# Altium PCB Mainboard.PcbDoc (part 3 of 4)
Units mm, origin at the board's own origin, x right, y up, seen from the top; angles counter-clockwise.
Board outline 90 x 160 mm, 2 copper layers (L1_Top, L14_Bot), stack 1.67 mm thick; 337 components, 184 nets, 933 pads, 776 vias.
Unrouted connection lines stored in the file: 3.
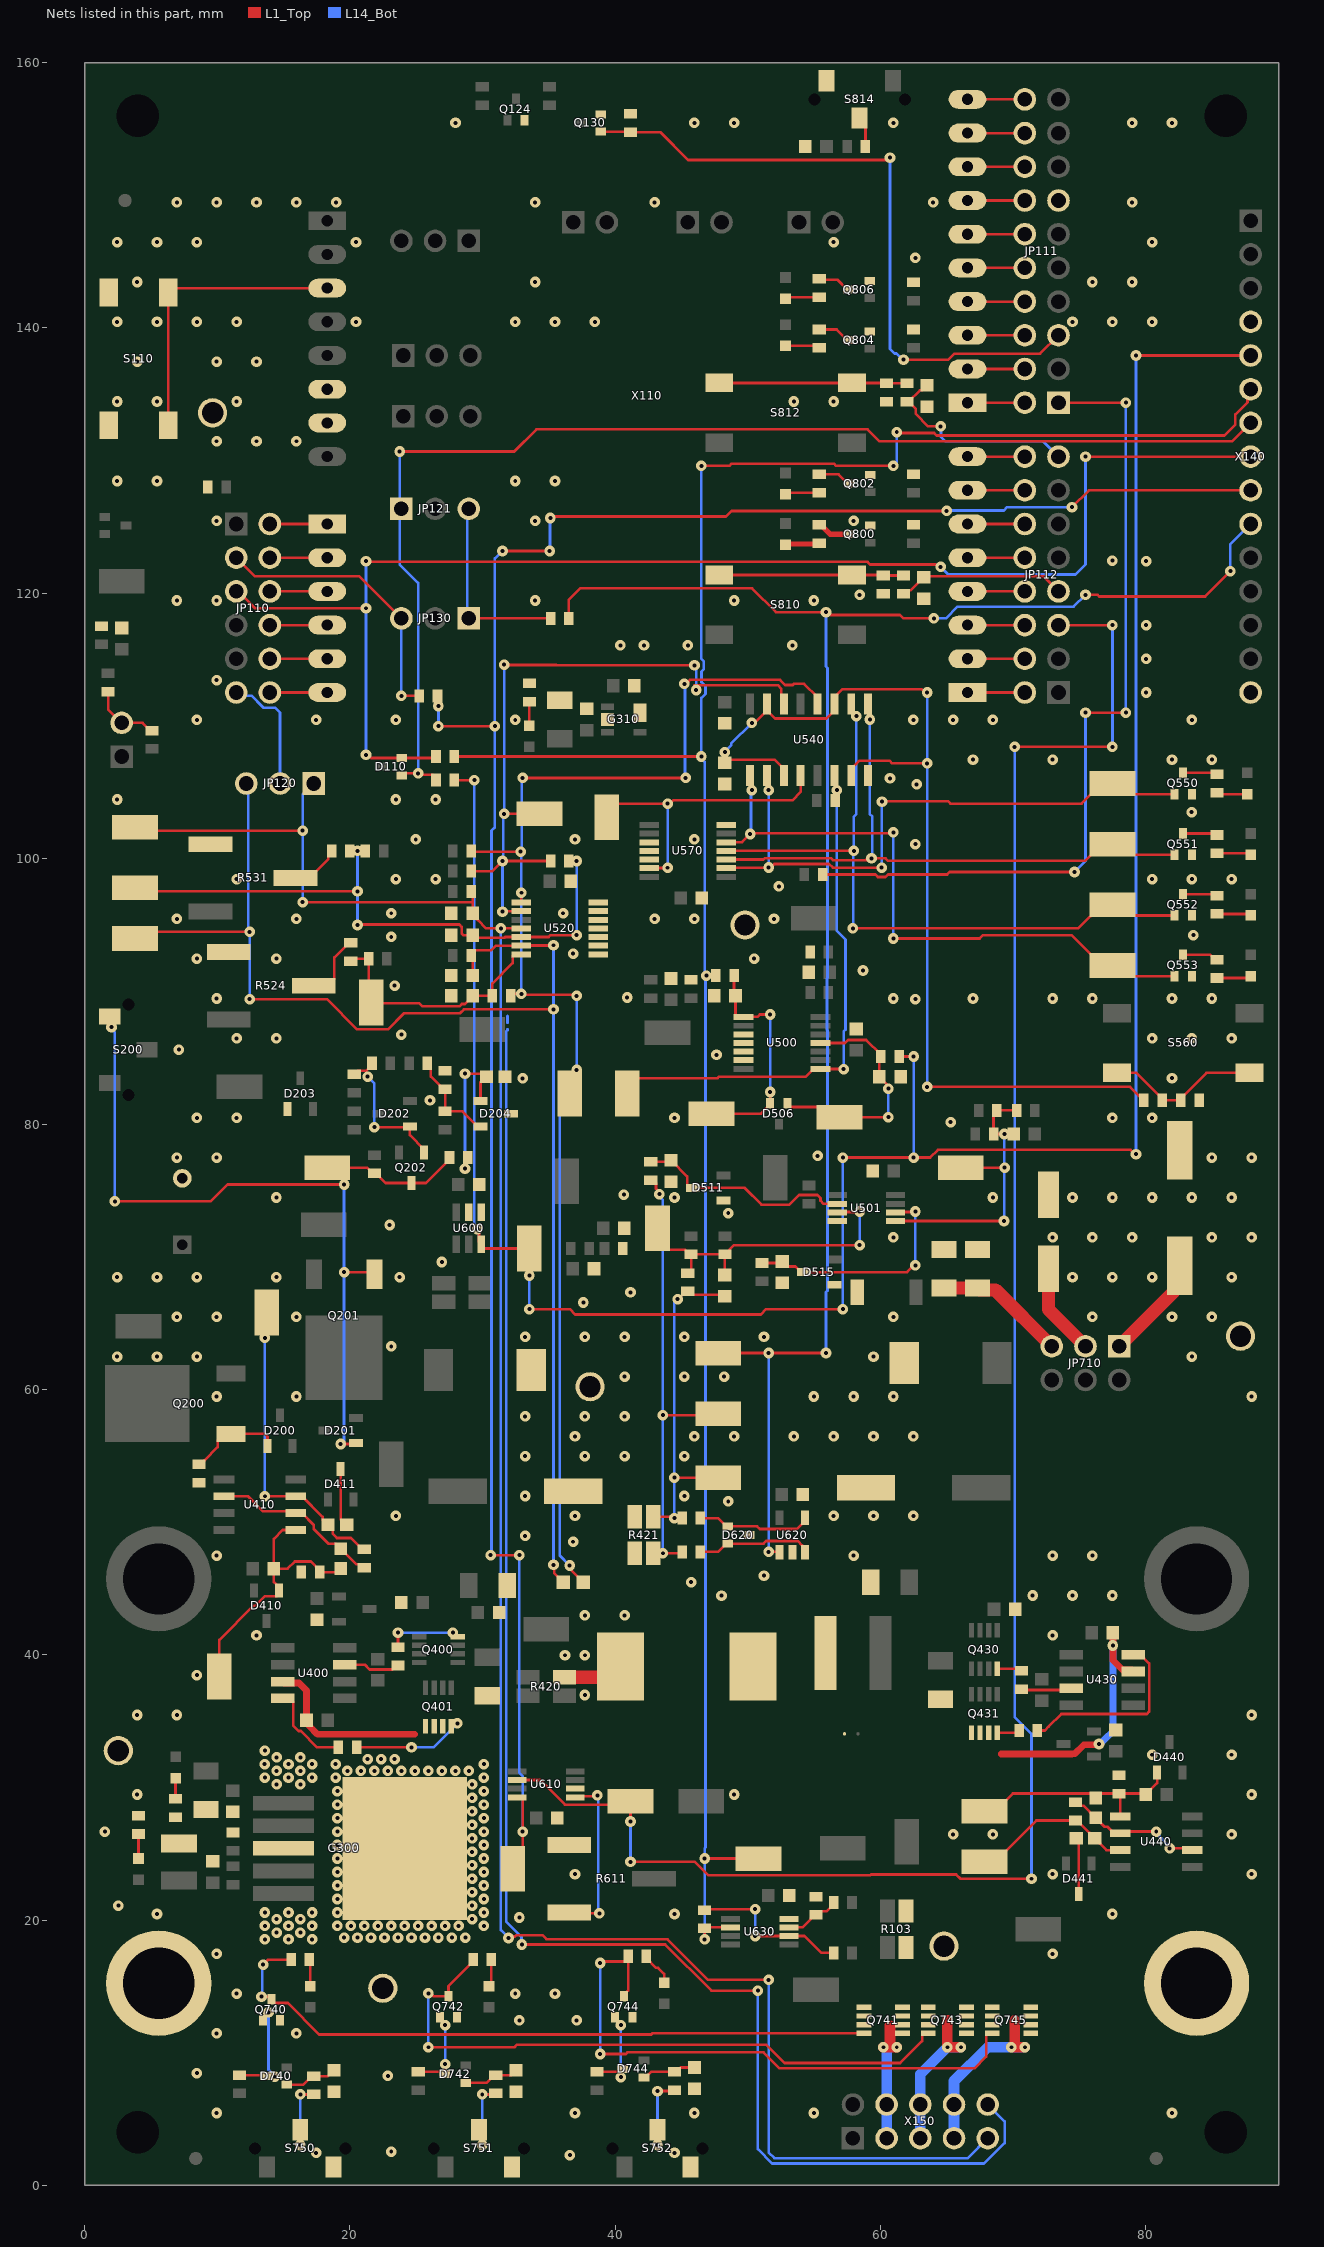
[diagram p3: the nets of this part, all layers, seen from the top]

## Via types
v1: diameter 0.8, hole 0.3, L1_Top to L14_Bot, tented both sides, 776 vias

## Nets (pads, with @x,y where several pads share a name; then routed paths per layer and width w, separated by ;. In a path a pad name is that pad's centre, name@x,y a point inside that pad or via, vN(x,y) a via of type N, cw(c..) or ccw(c..) an arc to the next point about the centre after c; other vN are vias at no path point) (continued)
Current_Blanking: JP111.5 Q130.1 R130.2 | length 51.1
  L1_Top w0.2: Q130.1@38.9,154.798 41.108,154.798 R130.2@41.148,154.758 43.388,154.758 45.492,152.654 60.706,152.654 v1(60.706,152.83) ; v1(61.719,137.606) 65.107,137.606 65.557,138.056 72.016,138.056 JP111.5@73.406,139.446
  L14_Bot w0.2: v1(60.706,152.83) 60.706,138.43 61.061,138.075 61.199,138.075 61.668,137.606 v1(61.719,137.606)
Fault_Reset: C562.1 R562.2 U540.3 U540.7 U540.11 U540.15 | length 78.1
  L1_Top w0.2: v1(48.26,108.023) C562.1@48.26,107.226 48.476,107.442 52.029,107.442 52.705,106.766 U540.3@52.705,106.266 ; v1(50.292,110.236) 50.407,110.351 50.62,110.351 U540.15@51.435,111.166 ; U540.15@51.435,111.666 U540.15@51.435,111.166 ; U540.7@57.785,106.266 57.785,106.766 57.985,106.966 58.385,107.366 60.695,107.366 60.873,107.188 v1(63.5,107.188) ; v1(63.5,82.804) 78.812,82.804 R562.2@79.828,81.788 ; v1(63.5,112.522) 63.338,112.522 63.084,112.776 57.125,112.776 56.515,112.166 U540.11@56.515,111.666 56.515,111.166 55.915,110.566 52.035,110.566 U540.15@51.435,111.166
  L14_Bot w0.2: v1(48.26,108.023) 48.26,108.063 48.735,108.538 48.735,108.679 v1(50.292,110.236) ; v1(63.5,82.804) v1(63.5,107.188) v1(63.5,112.522)
Flag_Overcurr: Q550.1 TP540.1 U540.2 U570.2 | length 47
  L1_Top w0.2: U570.2@48.366,99.284 48.391,99.309 51.537,99.309 v1(51.562,99.334) 51.724,99.334 51.991,99.601 56.11,99.601 56.394,99.317 v1(60.074,99.317) ; U540.2@51.435,106.266 51.562,106.139 v1(51.562,105.156) ; v1(60.104,104.3) 60.136,104.332 65.06,104.332 65.252,104.14 75.146,104.14 76.67,105.664 TP540.1@77.47,105.664 78.27,104.864 Q550.1@82.154,104.864
  L14_Bot w0.2: v1(51.562,99.334) v1(51.562,105.156) ; v1(60.074,99.317) 60.074,104.27 v1(60.104,104.3)
Flag_Overtemp_Ext: Q553.1 TP543.1 U540.1 U570.5 | length 48
  L1_Top w0.2: U570.5@48.366,101.234 48.374,101.242 49.553,101.242 50.228,101.917 60.896,101.917 v1(60.96,101.981) ; U540.1@50.165,106.266 50.292,106.139 v1(50.292,105.156) ; v1(60.96,93.98) 67.468,93.98 67.722,94.234 74.384,94.234 77.47,91.148 Q553.1@82.154,91.148
  L14_Bot w0.2: v1(50.165,101.854) 50.228,101.917 50.228,105.092 v1(50.292,105.156) ; v1(60.96,93.98) v1(60.96,101.981)
Flag_Overtemp_Int: Q552.1 TP542.1 U540.10 U570.4 | length 53.4
  L1_Top w0.2: U570.4@48.366,100.584 v1(57.974,100.584) v1@58.166,100.584 ; U540.10@57.785,111.666 57.785,111.166 58.166,110.785 v1(58.166,110.744) ; v1(57.912,94.742) 74.892,94.742 76.67,96.52 TP542.1@77.47,96.52 ; TP542.1@76.708,97.282 TP542.1@77.47,96.52 ; Q552.1@82.154,95.72 78.27,95.72 TP542.1@77.47,96.52
  L14_Bot w0.2: v1(57.912,94.742) 57.943,94.773 57.943,100.553 v1(57.974,100.584) 57.974,103.16 58.166,103.352 v1(58.166,110.744)
Flag_Overvolt: Q551.1 TP541.1 U540.9 U570.3 | length 45.5
  L1_Top w0.2: U570.3@48.366,99.934 51.172,99.934 51.272,100.034 56.243,100.034 56.393,99.884 58.866,99.884 58.884,99.902 59.195,99.902 v1(59.31,100.017) 60.364,100.017 60.528,99.853 75.431,99.853 76.67,101.092 TP541.1@77.47,101.092 78.27,100.292 Q551.1@82.154,100.292
  L14_Bot w0.2: v1(59.182,110.49) 59.166,110.474 59.166,103.367 59.374,103.16 59.374,100.081 v1(59.31,100.017)
GND: C204.1 C210.2 C211.2 C212.1 C213.1 C214.1 C215.1 C221.1 C300.1 C301.1 C302.1 C303.1 C310.1 C311.1 C312.1 C403.1 C433.1 C500.2 C501.2 C503.1 C505.1 C506.1 C507.1 C511.1 C515.1 C520.2 C523.1 C526.1 C530.1 C533.1 C540.1 C562.2 C570.2 C600.1 C610.1 C620.1 C630.1 C700.1 C701.1 C702.2 C710.2 C711.2 C712.1 C713.1 C722.1 C750.1 C751.1 C752.1 C811.1 C813.1 C814.1 D203.1 D204.3 D211.2 D511.1 D515.1 D620.3 D730.2 D731.2 G300.3 G300.6 G310.2 G310.5 JP111.13 Q124.2 Q130.2 Q550.2 Q551.2 Q552.2 Q553.2 Q740.2 Q742.2 Q744.2 Q800.2 Q802.2 Q804.2 Q806.2 R103.2 R122.1 R130.1 R200.1 R207.1 R221.1 R301.1 R320.1 R330.1 R340.1 R410.1 R421.2 R440.1 R503.2 R505.1 R524.1 R531.1 R561.1 R611.1 R632.1 R722.1 R800.1 R802.1 R804.1 R806.1 R810.1 R812.1 S110.1 S110.2 S750.3 S751.3 S752.3 S814.3 TP103.1 TP202.1 TP300.1 TP421.1 TP503.1 TP710.1 TP802.1 U500.10 U500.11 U500.12 U500.13 U501.4 U520.8 U520.9 U520.10 U520.11 U520.12 U520.13 U520.14 U540.8 U570.7 U570.10 U570.11 U570.12 U600.1 U600.2 U610.6 U620.2 U630.4 W100.2 W500.2 X101.1 X110.6A X110.7A X140.4 X140.15 | length 0.8
  L14_Bot w0.2: W100.2@31.877,87.621 31.877,88.138 ; W500.2@35.814,83.049 35.814,83.312
  other v1: 36.576,2.286 17.46,2.46 44.46,2.46 23.114,2.54 9.96,5.46 36.96,5.46 45.96,5.46 54.96,5.46 81.96,5.46 22.86,8.255 8.46,8.46 9.96,11.46 15.96,11.46 32.766,12.446 37.084,12.446 11.46,14.46 32.46,14.46 35.46,14.46 9.96,17.46 72.96,17.46 13.589,18.542 15.367,18.542 17.145,18.542 19.558,18.669 20.574,18.669 21.59,18.669 22.606,18.669 23.622,18.669 24.638,18.669 25.654,18.669 26.67,18.669 27.686,18.669 28.702,18.669 14.478,19.05 16.256,19.05 13.589,19.558 15.367,19.558 17.145,19.558 19.05,19.558 20.066,19.558 21.082,19.558 22.098,19.558 23.114,19.558 24.13,19.558 25.146,19.558 26.162,19.558 27.178,19.558 28.194,19.558 30.099,19.558 14.478,20.066 16.256,20.066 29.21,20.066 32.766,20.193 5.46,20.46 44.46,20.46 77.46,20.46 13.589,20.574 15.367,20.574 17.145,20.574 19.05,20.574 30.099,20.574 2.54,21.082 29.21,21.082 19.05,21.59 30.099,21.59 29.21,22.098 19.05,22.606 30.099,22.606 29.21,23.114 36.96,23.46 72.96,23.46 87.96,23.46 19.05,23.622 30.099,23.622 29.21,24.142 19.05,24.638 30.099,24.638 29.21,25.146 19.05,25.654 30.099,25.654 29.21,26.162 65.46,26.46 68.46,26.46 86.46,26.46 1.524,26.67 19.05,26.67 30.099,26.67 29.21,27.178 19.05,27.686 30.099,27.686 29.21,28.194 19.05,28.702 30.099,28.702 29.21,29.21 3.96,29.46 48.96,29.46 87.96,29.46 19.05,29.718 30.099,29.718 14.478,30.226 16.256,30.226 29.21,30.226 13.589,30.734 15.367,30.734 17.145,30.734 18.923,30.734 30.099,30.734 14.478,31.242 16.256,31.242 19.812,31.242 20.828,31.242 21.844,31.242 22.86,31.242 23.876,31.242 24.892,31.242 25.908,31.242 26.924,31.242 27.94,31.242 28.956,31.242 13.572,31.748 15.367,31.75 17.145,31.75 18.923,31.75 30.099,31.75 21.336,32.131 22.352,32.131 23.368,32.131 14.478,32.258 16.256,32.258 80.46,32.46 86.46,32.46 13.589,32.766 3.96,35.46 6.96,35.46 87.96,35.46 37.71,36.96 8.46,38.46 36.21,39.96 37.71,39.96 12.96,41.46 72.96,41.46 37.71,42.96 40.71,42.96 48.006,44.45 71.46,44.46 74.46,44.46 77.46,44.46 45.72,45.466 51.21,45.96 9.96,47.46 57.96,47.46 72.96,47.46 75.96,47.46 36.83,48.514 33.21,48.96 23.46,50.46 36.96,50.46 56.46,50.46 59.46,50.46 62.46,50.46 48.514,51.562 33.21,51.96 45.21,51.96 33.21,54.96 37.71,54.96 40.71,54.96 45.21,54.96 36.96,56.46 45.96,56.46 48.96,56.46 53.46,56.46 56.46,56.46 59.46,56.46 62.46,56.46 33.21,57.96 37.71,57.96 40.71,57.96 9.96,59.46 15.96,59.46 54.96,59.46 57.96,59.46 60.96,59.46 87.96,59.46 40.71,60.96 45.21,60.96 48.21,60.96 2.46,62.46 5.46,62.46 8.46,62.46 59.46,62.46 83.46,62.46 23.114,63.246 33.21,63.96 37.71,63.96 40.71,63.96 45.21,63.96 51.21,63.96 6.96,65.46 9.96,65.46 15.96,65.46 60.96,65.46 75.96,65.46 81.96,65.46 84.96,65.46 37.592,66.548 41.148,67.31 2.46,68.46 5.46,68.46 8.46,68.46 14.46,68.46 23.749,68.453 74.46,68.46 77.46,68.46 80.46,68.46 86.46,68.46 26.924,69.596 60.96,71.46 72.96,71.46 75.96,71.46 78.96,71.46 84.96,71.46 87.96,71.46 22.987,72.39 48.514,73.279 14.46,74.46 44.46,74.46 68.46,74.46 74.46,74.46 77.46,74.46 80.46,74.46 83.46,74.46 86.46,74.46 40.64,74.676 6.96,77.46 9.96,77.46 84.96,77.46 87.96,77.46 55.245,77.597 65.278,80.137 8.46,80.46 11.46,80.46 44.46,80.46 77.46,80.46 80.46,80.46 26.035,81.788 33.02,83.439 81.96,83.46 47.625,85.217 7.112,85.598 11.46,86.46 14.46,86.46 80.46,86.46 83.46,86.46 86.46,86.46 23.876,86.741 62.611,89.408 9.96,89.46 60.96,89.46 66.96,89.46 72.96,89.46 75.96,89.46 81.96,89.46 84.96,89.46 40.894,89.535 23.368,90.424 58.674,91.567 8.46,92.46 14.46,92.46 50.46,92.46 36.83,92.837 23.114,94.107 83.566,94.234 6.96,95.46 15.96,95.46 42.96,95.46 45.96,95.46 51.96,95.46 23.114,95.885 36.068,95.885 52.324,97.917 11.46,98.46 23.46,98.46 26.46,98.46 80.46,98.46 83.46,98.46 86.46,98.46 62.611,101.092 24.96,101.46 36.96,101.46 45.96,101.46 83.439,103.505 2.46,104.46 23.46,104.46 26.46,104.46 62.708,105.6 60.706,106.045 66.96,107.46 72.96,107.46 81.96,107.46 84.96,107.46 8.46,110.46 17.46,110.46 23.46,110.46 32.46,110.46 62.46,110.46 65.46,110.46 68.46,110.46 83.46,110.46 80.01,112.522 9.96,113.46 80.01,115.062 40.386,116.078 42.164,116.078 45.466,116.078 53.34,116.078 80.01,117.602 6.96,119.46 9.96,119.46 33.96,119.46 48.96,119.46 54.96,119.46 58.42,119.888 80.01,122.428 77.46,122.46 9.96,125.46 33.96,125.46 57.96,125.46 2.46,128.46 5.46,128.46 32.46,128.46 35.46,128.46 9.96,131.46 12.96,131.46 15.96,131.46 2.46,134.46 5.46,134.46 11.46,134.46 53.46,134.46 56.46,134.46 3.96,137.46 9.96,137.46 12.96,137.46 2.46,140.46 5.46,140.46 8.46,140.46 11.46,140.46 20.46,140.46 32.46,140.46 35.46,140.46 38.46,140.46 74.46,140.46 77.46,140.46 80.46,140.46 3.96,143.46 33.96,143.46 75.96,143.46 78.96,143.46 62.611,145.288 2.46,146.46 5.46,146.46 8.46,146.46 20.46,146.46 56.46,146.46 80.46,146.46 6.96,149.46 9.96,149.46 12.96,149.46 15.96,149.46 18.96,149.46 33.96,149.46 42.96,149.46 63.96,149.46 78.96,149.46 27.96,155.46 45.96,155.46 48.96,155.46 60.96,155.46 78.96,155.46 81.96,155.46
H-Bridge_neg: C400.1 C404.1 C430.1 C434.1 Q401.1 Q401.2 Q401.3 Q431.1 Q431.2 Q431.3 R421.1 U400.3 U430.3 | length 33
  L1_Top w0.5: U400.3@15.462,37.973 U400.3@14.932,37.973 15.042,37.863 16.163,37.863 16.726,37.3 C400.1@16.726,35.052 C400.1@16.726,35.027 ; C400.1@16.802,34.951 16.951,34.802 16.951,34.611 17.564,33.998 24.892,33.998 ; 69.088,32.512 74.422,32.512 74.434,32.524 74.623,32.524 75.315,33.217 76.397,33.217 v1(76.454,33.274) ; C430.1@77.508,41.656 77.508,39.586 78.249,38.845 78.938,38.845 U430.3@79.048,38.735
  L14_Bot w0.5: v1(76.454,33.274) 76.535,33.274 77.136,33.874 77.154,33.874 77.508,34.228 v1(77.508,40.693)
In_555_Boost: C442.2 R441.2 U440.2 U440.6 | length 10.5
  L1_Top w0.2: R441.2@74.676,28.884 74.936,28.624 75.274,28.624 C442.2@76.2,27.698 76.865,27.033 77.107,27.033 77.597,26.543 U440.2@78.072,26.543 78.199,26.67 v1(80.772,26.67) ; v1(81.788,25.4) 83.345,25.4 U440.6@83.472,25.273
  L14_Bot w0.2: v1(80.772,26.67) 80.772,26.543 81.788,25.527 v1(81.788,25.4)
In_555_Buck: C412.2 R411.2 U410.2 U410.6 | length 13
  L1_Top w0.2: U410.6@10.508,51.943 12.319,51.943 13.462,50.8 15.781,50.8 U410.2@15.908,50.673 16.383,50.673 17.272,49.784 17.272,49.463 18.366,48.369 18.929,48.369 C412.2@19.304,47.994 20.484,46.814 20.822,46.814 R411.2@21.082,46.554
In_Curr_ADC: D110.1 JP121.1 R110.1 X140.7 | length 93.5
  L1_Top w0.2: v1(23.749,130.683) 32.385,130.683 34.056,132.354 59.006,132.354 59.908,131.452 86.494,131.452 X140.7@87.884,132.842 ; D110.1@23.914,106.284 24.056,106.426 v1(25.146,106.426) 25.259,106.313 26.228,106.313 26.488,106.053 R110.1@26.488,105.918
  L14_Bot w0.2: v1(23.749,130.683) 23.749,126.365 23.749,122.18 25.146,120.783 v1(25.146,106.426)
In_Curr_Filtr: C506.2 D506.1 R506.2 TP506.1 U500.4 | length 18.4
  L1_Top w0.2: D506.1@52.974,81.572 52.974,81.48 53.174,81.28 56.134,81.28 TP506.1@56.896,80.518 v1(60.581,80.518) ; U500.4@55.478,86.106 57.313,86.106 57.542,86.335 58.906,86.335 60.016,85.225 R506.2@60.016,85.09 59.906,84.98 C506.2@59.906,83.566 ; C506.2@59.69,83.566 59.881,83.566 60.466,82.981 60.466,82.784 v1(60.581,82.669)
  L14_Bot w0.2: v1(60.581,80.518) v1(60.581,82.669)
Inductor_Curr_ADC: JP110.3 JP130.3 R132.1 | length 21.5
  L1_Top w0.2: JP110.3@11.43,122.682 12.82,121.292 20.694,121.292 JP130.3@23.876,118.11 ; v1(23.876,112.268) R132.1@25.218,112.268
  L14_Bot w0.2: v1(23.876,112.268) JP130.3@23.876,118.11
Inductor_Current: R132.2 TP610.1 U610.4 X140.9 | length 171.5
  L1_Top w0.2: R132.2@26.598,112.268 26.67,112.196 v1(26.67,111.506) ; v1(26.67,109.982) v1(30.926,109.982) ; v1(30.607,47.498) v1(32.766,47.498) ; v1(31.496,123.19) v1(35.052,123.19) ; TP610.1@32.258,23.876 33.02,24.638 v1(33.02,26.67) 33.02,29.126 32.895,29.251 U610.4@32.598,29.251 U610.4@32.578,29.231 ; v1(35.109,125.673) 35.224,125.787 35.522,125.787 35.527,125.792 48.348,125.792 48.763,126.207 v1(64.972,126.207) ; v1(74.422,126.492) 75.692,127.762 X140.9@87.884,127.762
  L14_Bot w0.2: v1(26.67,109.982) v1(26.67,111.506) ; v1@30.669,47.498 30.669,102.11 30.926,102.367 30.926,103.088 30.926,106.396 v1(30.926,109.982) 30.926,122.62 v1(31.496,123.19) ; v1(32.766,47.498) 32.766,31.102 33.02,30.848 v1(33.02,26.67) ; v1(35.052,123.19) 35.081,123.219 35.081,125.644 v1(35.109,125.673) ; v1(64.972,126.207) 65.002,126.238 69.285,126.238 69.539,126.492 v1(74.422,126.492)
Inductor_Overcurr: JP112.5 TP612.1 U610.2 | length 151.3
  L1_Top w0.2: U610.2@32.633,30.515 U610.2@32.598,30.551 34.349,30.551 36.198,28.702 40.894,28.702 TP612.1@41.148,28.956 v1(41.148,27.432) ; v1(41.148,24.384) 46,24.384 47.016,23.368 59.208,23.368 59.273,23.433 65.695,23.433 66.014,23.114 v1(71.374,23.114) ; v1(70.104,108.423) 76.103,108.423 76.687,108.423 v1(77.47,108.423) ; JP112.5@73.406,117.602 v1(77.47,117.602)
  L14_Bot w0.2: v1(41.148,24.384) v1(41.148,27.432) ; v1(70.104,108.423) 70.104,35.309 71.374,34.039 v1(71.374,23.114) ; v1(77.47,108.423) v1(77.47,117.602)
Input_Current: R110.2 R506.1 TP600.1 U600.6 X140.5 | length 180.5
  L1_Top w0.2: R110.2@27.868,105.918 v1(29.376,105.918) ; v1(29.609,72.071) 29.609,71.909 29.726,71.792 29.726,71.116 U600.6@29.906,70.936 29.906,70.792 30.086,70.612 TP600.1@33.528,70.612 v1(33.528,68.58) ; v1(33.528,66.04) 36.576,66.04 36.976,65.64 50.966,65.64 51.366,66.04 v1(57.15,66.04) ; v1(57.15,77.47) v1(62.484,77.47) 63.728,77.47 64.306,78.048 78.831,78.048 79.155,77.724 v1(79.248,77.724) ; R506.1@61.396,85.09 v1(62.484,85.09) ; v1(79.248,137.922) X140.5@87.884,137.922
  L14_Bot w0.2: v1(29.376,105.918) 29.376,72.466 29.609,72.234 v1(29.609,72.071) ; v1(33.528,66.04) v1(33.528,68.58) ; v1(57.15,66.04) v1(57.15,77.47) ; v1(62.484,77.47) v1(62.484,85.09) ; v1(79.248,77.724) v1(79.248,137.922)
INV_TLV198: R633.2 R634.1 U630.2 | length 12.3
  L1_Top w0.2: R634.1@46.736,20.756 46.808,20.828 v1(50.546,20.828) ; v1(50.546,18.796) 54.258,18.796 55.528,17.526 R633.2@56.46,17.526
  L14_Bot w0.2: v1(50.546,18.796) v1(50.546,20.828)
Load1: Q741.5 Q741.6 Q741.7 Q741.8 X150.3 X150.4 | length 9.6
  L1_Top w0.8: v1(60.198,10.414) 60.706,10.414 ; 60.706,12.026 60.706,10.414 ; v1(61.214,10.414) 60.706,10.414
  L14_Bot w0.8: X150.3@60.452,3.556 X150.4@60.452,6.096 60.452,10.16 60.706,10.414
Load2: Q743.5 Q743.6 Q743.7 Q743.8 X150.5 X150.6 | length 11.8
  L1_Top w0.8: 65.024,12.446 v1(65.024,10.414) v1(66.04,10.414)
  L14_Bot w0.8: X150.5@62.992,3.556 X150.6@62.992,6.096 62.992,8.382 v1(65.024,10.414) v1(66.04,10.414)
Load3: Q745.5 Q745.6 Q745.7 Q745.8 X150.7 X150.8 | length 13.8
  L1_Top w0.8: v1(69.85,10.414) v1@70.104,10.414 ; 70.104,12.446 v1@70.104,10.414 ; v1(70.866,10.414) v1@70.104,10.414
  L14_Bot w0.8: X150.7@65.532,3.556 X150.8@65.532,6.096 65.532,7.874 68.072,10.414 v1(69.85,10.414) v1(70.866,10.414)
MAX40056_Ref: R611.3 U610.5 | length 13
  L1_Top w0.2: R611.3@36.526,20.574 36.588,20.512 v1(38.8,20.512) ; U610.5@36.998,29.251 37.074,29.327 38.573,29.327 v1(38.649,29.402)
  L14_Bot w0.2: v1(38.649,29.402) 38.683,29.402 38.725,29.36 38.725,20.587 v1(38.8,20.512)
Neg_555_Boost: C440.1 C442.1 D440.1 R440.2 TP441.1 U440.1 | length 16.8
  L1_Top w0.2: TP441.1@67.818,28.194 68.618,28.194 69.968,29.544 75.854,29.544 C442.1@76.2,29.198 76.538,29.536 R440.2@77.978,29.536 ; U440.1@78.072,27.813 78.072,29.442 R440.2@77.978,29.536 ; D440.1@80.838,31.108 80.838,30.33 80.372,29.864 80.347,29.864 79.972,29.489 C440.1@79.972,29.464 79.9,29.536 R440.2@77.978,29.536
Neg_555_Buck: C410.1 C412.1 D410.1 R410.2 TP411.1 U410.1 | length 20.7
  L1_Top w0.2: TP411.1@10.16,38.354 10.16,41.122 12.734,43.696 12.873,43.696 13.59,44.413 14.466,44.413 14.666,44.613 D410.1@14.666,44.838 14.666,45.063 14.262,45.467 C410.1@14.262,46.482 ; U410.1@15.908,49.403 14.935,49.403 14.262,48.73 C410.1@14.262,46.482 ; C412.1@19.304,46.494 19.038,46.228 R410.2@17.708,46.228 17.708,46.363 17.048,47.023 15.844,47.023 15.303,46.482 C410.1@14.262,46.482
NetC411_1: C411.1 D411.3 | length 4.4
  L1_Top w0.2: D411.3@19.304,53.982 19.304,50.205 19.725,49.784 C411.1@19.75,49.784
NetC441_2: C441.2 D441.3 | length 4.3
  L1_Top w0.2: C441.2@74.738,26.162 74.93,25.97 D441.3@74.93,21.964
NetC710_1: C710.1 JP710.1 | length 8
  L1_Top w1: JP710.1@77.978,63.246 82.1,67.368 82.1,68.86 C710.1@82.55,69.31
NetC711_1: C711.1 JP710.3 | length 7
  L1_Top w1: C711.1@72.644,69.082 72.644,66.04 JP710.3@75.438,63.246
NetC712_2: C712.2 C713.2 JP710.5 | length 9.9
  L1_Top w1: C713.2@64.77,67.638 C712.2@67.31,67.638 67.46,67.488 68.656,67.488 JP710.5@72.898,63.246
NetD320_1: D320.1 R320.2 | length 1.6
  L1_Top w0.2: R320.2@6.858,29.138 D320.1@6.858,30.734
NetD330_1: D330.1 R330.2 | length 1.9
  L1_Top w0.2: D330.1@4.064,24.638 R330.2@4.064,26.488
NetD340_1: D340.1 R340.2 | length 1.8
  L1_Top w0.2: D340.1@33.528,110.02 R340.2@33.528,111.832
NetD550_1: D550.1 R550.1 | length 2.3
  L1_Top w0.2: R550.1@85.344,104.974 85.454,104.864 D550.1@87.63,104.864
NetD551_1: D551.1 R551.1 | length 2.6
  L1_Top w0.2: R551.1@85.344,100.402 87.774,100.402 D551.1@87.884,100.292
NetD552_1: D552.1 R552.1 | length 2.6
  L1_Top w0.2: R552.1@85.344,95.83 87.774,95.83 D552.1@87.884,95.72
NetD553_1: D553.1 R553.1 | length 2.6
  L1_Top w0.2: R553.1@85.344,91.004 87.74,91.004 D553.1@87.884,91.148
NetD740_3: D740.3 Q740.1 R740.1 | length 8.5
  L1_Top w0.2: R740.1@11.684,8.31 13.562,8.31 13.632,8.24 D740.3@13.64,8.24 13.69,8.19 v1(14.32,8.19) ; Q740.1@13.432,12.446 13.432,12.546 13.866,12.98 v1(13.866,13.046)
  L14_Bot w0.2: v1(13.866,13.046) 13.866,8.727 14.32,8.273 v1(14.32,8.19)
NetD741_1: D741.1 R741.2 | length 2
  L1_Top w0.2: R741.2@16.946,17.018 17.018,16.946 D741.1@17.018,15.024
NetD742_3: D742.3 Q742.1 R742.1 | length 6.5
  L1_Top w0.2: R742.1@25.146,8.564 26.958,8.564 D742.3@27.14,8.382 27.178,8.42 v1(27.178,9.144) ; Q742.1@26.782,12.662 26.782,12.562 27.178,12.166 v1(27.178,12.08)
  L14_Bot w0.2: v1(27.178,9.144) v1(27.178,12.08)
NetD743_1: D743.1 R743.2 | length 2.1
  L1_Top w0.2: D743.1@30.48,15.024 30.662,15.206 R743.2@30.662,17.018
NetD744_3: D744.3 Q744.1 R744.1 | length 7
  L1_Top w0.2: R744.1@38.608,8.564 D744.3@40.25,8.564 ; Q744.1@39.99,12.662 39.99,12.562 40.418,12.134 v1(40.418,12.08) ; v1(40.418,8.16) 40.418,8.732 D744.3@40.464,8.778
  L14_Bot w0.2: v1(40.418,8.16) v1(40.418,12.08)
NetD745_1: D745.1 R745.2 | length 2.6
  L1_Top w0.2: R745.2@42.346,17.272 42.346,17.137 43.079,16.404 43.215,16.404 43.688,15.93 D745.1@43.688,15.278
NetD801_1: D801.1 R801.1 | length 2.6
  L1_Top w0.4: D801.1@52.832,123.66 52.887,123.715 55.317,123.715 R801.1@55.372,123.77
NetD803_1: D803.1 R803.1 | length 2.6
  L1_Top w0.2: D803.1@52.832,127.47 52.942,127.58 R803.1@55.372,127.58
NetD805_1: D805.1 R805.1 | length 2.6
  L1_Top w0.2: D805.1@52.832,138.646 55.228,138.646 R805.1@55.372,138.502
NetD807_1: D807.1 R807.1 | length 2.6
  L1_Top w0.2: D807.1@52.832,142.202 52.942,142.312 R807.1@55.372,142.312
NetJP110_2: JP110.2 X110.1B | length 5.1
  L1_Top w0.2: JP110.2@13.208,125.222 X110.1B@18.288,125.222
NetJP110_4: JP110.4 X110.2B | length 5.1
  L1_Top w0.2: JP110.4@13.208,122.682 X110.2B@18.288,122.682
NetJP110_6: JP110.6 X110.3B | length 5.1
  L1_Top w0.2: JP110.6@13.208,120.142 X110.3B@18.288,120.142
NetJP110_8: JP110.8 X110.4B | length 5.1
  L1_Top w0.2: JP110.8@13.208,117.602 X110.4B@18.288,117.602
NetJP110_10: JP110.10 X110.5B | length 5.1
  L1_Top w0.2: JP110.10@13.208,115.062 X110.5B@18.288,115.062
NetJP110_12: JP110.12 X110.6B | length 5.1
  L1_Top w0.2: JP110.12@13.208,112.522 X110.6B@18.288,112.522
NetJP111_1: JP111.1 R112.2 | length 63.1
  L1_Top w0.2: R112.2@55.626,98.806 59.595,98.806 59.784,98.617 60.364,98.617 60.553,98.806 65.017,98.806 65.207,98.996 v1(74.614,98.996) ; JP111.1@73.406,134.366 v1(78.486,134.366) ; v1(75.438,110.998) v1(78.486,110.998)
  L14_Bot w0.2: v1(74.614,98.996) v1(74.614,98.996) 75.438,99.822 v1(75.438,110.998) ; v1(78.486,110.998) v1(78.486,134.366)
NetJP111_2: JP111.2 X110.1C | length 5.1
  L1_Top w0.2: X110.1C@66.548,134.366 JP111.2@71.628,134.366
NetJP111_4: JP111.4 X110.2C | length 5.1
  L1_Top w0.2: X110.2C@66.548,136.906 JP111.4@71.628,136.906
NetJP111_6: JP111.6 X110.3C | length 5.1
  L1_Top w0.2: X110.3C@66.548,139.446 JP111.6@71.628,139.446
NetJP111_8: JP111.8 X110.4C | length 5.1
  L1_Top w0.2: X110.4C@66.548,141.986 JP111.8@71.628,141.986
NetJP111_10: JP111.10 X110.5C | length 5.1
  L1_Top w0.2: X110.5C@66.548,144.526 JP111.10@71.628,144.526
NetJP111_12: JP111.12 X110.6C | length 5.1
  L1_Top w0.2: X110.6C@66.548,147.066 JP111.12@71.628,147.066
NetJP111_14: JP111.14 X110.7C | length 5.1
  L1_Top w0.2: X110.7C@66.548,149.606 JP111.14@71.628,149.606
NetJP111_16: JP111.16 X110.8C | length 5.1
  L1_Top w0.2: X110.8C@66.548,152.146 JP111.16@71.628,152.146
NetJP111_18: JP111.18 X110.9C | length 5.1
  L1_Top w0.2: X110.9C@66.548,154.686 JP111.18@71.628,154.686
NetJP111_20: JP111.20 X110.10C | length 5.1
  L1_Top w0.2: X110.10C@66.548,157.226 JP111.20@71.628,157.226
NetJP112_2: JP112.2 X110.1D | length 5.1
  L1_Top w0.2: X110.1D@66.548,112.522 JP112.2@71.628,112.522
NetJP112_4: JP112.4 X110.2D | length 5.1
  L1_Top w0.2: X110.2D@66.548,115.062 JP112.4@71.628,115.062
NetJP112_6: JP112.6 X110.3D | length 5.1
  L1_Top w0.2: X110.3D@66.548,117.602 JP112.6@71.628,117.602
NetJP112_8: JP112.8 X110.4D | length 5.1
  L1_Top w0.2: X110.4D@66.548,120.142 JP112.8@71.628,120.142
NetJP112_10: JP112.10 X110.5D | length 5.1
  L1_Top w0.2: X110.5D@66.548,122.682 JP112.10@71.628,122.682
NetJP112_12: JP112.12 X110.6D | length 5.1
  L1_Top w0.2: X110.6D@66.548,125.222 JP112.12@71.628,125.222
NetJP112_14: JP112.14 X110.7D | length 5.1
  L1_Top w0.2: X110.7D@66.548,127.762 JP112.14@71.628,127.762
NetJP112_16: JP112.16 X110.8D | length 4.3
  L1_Top w0.2: X110.8D@66.548,130.302 JP112.16@70.866,130.302
NetJP421_1: JP421.1 L420.2 L421.1 | length 1.4
  L1_Top w1: L420.2@50.386,39.116 L420.2@51.402,38.1
NetL420_1: L420.1 R420.2 | length 4.7
  L1_Top w1: R420.2@36.093,38.292 39.562,38.292 L420.1@40.386,39.116 ; L420.1@40.578,39.054 L420.1@40.64,39.116
NetQ400_4: Q400.4 R400.1 | length 5.7
  L1_Top w0.2: R400.1@23.622,40.568 v1(23.622,41.656) ; v1(27.757,41.669) 27.757,41.645 28.041,41.361 Q400.4@28.12,41.361
  L14_Bot w0.2: v1(23.622,41.656) 23.629,41.663 27.751,41.663 v1(27.757,41.669)
NetQ401_4: Q401.4 R401.1 | length 8.3
  L1_Top w0.2: R401.1@20.502,33.02 v1(24.638,33.02)
  L14_Bot w0.2: v1(24.638,33.02) 26.294,33.02 v1(28.099,34.825)
NetQ430_4: Q430.4 R430.2 | length 1.9
  L1_Top w0.2: Q430.4@68.793,38.936 70.466,38.936 R430.2@70.612,38.79
NetQ431_4: Q431.4 R431.2 | length 1.7
  L1_Top w0.2: Q431.4@68.793,34.11 70.25,34.11 R431.2@70.43,34.29
NetQ550_3: Q550.3 R550.2 | length 2.6
  L1_Top w0.2: Q550.3@82.804,106.464 85.234,106.464 R550.2@85.344,106.354
NetQ551_3: Q551.3 R551.2 | length 2.5
  L1_Top w0.2: Q551.3@82.804,101.892 R551.2@85.344,101.892
NetQ552_3: Q552.3 R552.2 | length 2.6
  L1_Top w0.2: Q552.3@82.804,97.32 85.234,97.32 R552.2@85.344,97.21
NetQ553_3: Q553.3 R553.2 | length 2.7
  L1_Top w0.2: Q553.3@82.804,92.748 84.845,92.748 85.209,92.384 R553.2@85.344,92.384
NetQ740_3: Q740.3 Q741.4 R741.1 | length 51.4
  L1_Top w0.2: v1(13.335,14.224) 13.882,14.224 13.931,14.175 13.931,14.097 14.282,13.746 15.318,13.746 17.684,11.38 42.717,11.38 42.808,11.471 Q741.4@58.748,11.471 ; v1(13.462,16.637) 13.843,17.018 R741.1@15.566,17.018
  L14_Bot w0.2: v1(13.335,14.224) 13.399,14.287 13.399,16.573 v1(13.462,16.637)
NetQ742_3: Q742.3 Q743.4 R743.1 | length 48.7
  L1_Top w0.2: v1(25.908,10.414) 32.388,10.414 32.58,10.606 51.37,10.606 52.752,9.224 61.468,9.224 63.124,10.88 63.124,11.371 63.224,11.471 Q743.4@63.574,11.471 ; v1(25.908,14.478) 26.07,14.478 26.286,14.262 Q742.3@27.432,14.262 27.432,15.033 29.282,16.883 R743.1@29.282,17.018
  L14_Bot w0.2: v1(25.908,10.414) v1(25.908,14.478)
NetQ744_3: Q744.3 Q745.4 R745.1 | length 44.4
  L1_Top w0.2: v1(38.862,9.906) 40.795,9.906 40.917,10.028 51.186,10.028 52.39,8.824 67.056,8.824 67.95,9.718 67.95,11.371 68.05,11.471 Q745.4@68.4,11.471 ; v1(38.862,16.764) 38.975,16.877 40.706,16.877 R745.1@40.966,17.137 ; Q744.3@40.64,14.262 40.64,14.362 40.966,14.688 R745.1@40.966,17.137 ; R745.1@40.966,17.272 R745.1@40.966,17.137
  L14_Bot w0.2: v1(38.862,9.906) v1(38.862,16.764)
NetQ800_3: Q800.3 R801.2 | length 2.5
  L1_Top w0.4: R801.2@55.372,125.15 55.507,125.15 56.197,124.46 Q800.3@57.62,124.46
NetQ802_3: Q802.3 R803.2 | length 2.5
  L1_Top w0.2: R803.2@55.372,128.96 56.83,128.96 57.52,128.27 Q802.3@57.62,128.27
NetQ804_3: Q804.3 R805.2 | length 2.5
  L1_Top w0.2: R805.2@55.372,139.882 56.68,139.882 57.482,139.08 Q804.3@57.582,139.08
NetQ806_3: Q806.3 R807.2 | length 2.5
  L1_Top w0.2: R807.2@55.372,143.692 55.427,143.637 56.729,143.637 57.474,142.892 Q806.3@57.574,142.892
NetR400_2: R400.2 U400.7 | length 4.3
  L1_Top w0.2: U400.7@19.612,39.243 21.118,39.243 21.474,38.887 23.186,38.887 23.487,39.188 R400.2@23.622,39.188
NetR401_2: R401.2 U400.4 | length 6.8
  L1_Top w0.2: U400.4@14.932,36.703 15.462,36.703 15.722,36.443 15.722,34.657 16.127,34.252 16.294,34.252 17.526,33.02 R401.2@19.122,33.02
NetR430_1: R430.1 U430.7 | length 3.8
  L1_Top w0.2: R430.1@70.612,37.41 70.684,37.338 74.241,37.338 U430.7@74.368,37.465
NetR431_1: R431.1 U430.4 | length 14.1
  L1_Top w0.2: R431.1@71.81,34.29 72.378,34.29 72.668,34.58 73.623,35.535 80.062,35.535 80.238,35.711 80.238,39.345 79.578,40.005 U430.4@79.048,40.005
NetR523_2: R523.2 R524.2 | length 5.1
  L1_Top w0.2: R524.2@17.272,90.424 18.327,90.424 18.822,90.919 18.822,92.545 19.931,93.654 R523.2@20.066,93.654
NetR526_1: R526.1 W500.1 | length 38
  L1_Top w0.2: v1@36.322,46.724 v1(36.564,46.724) ; v1@36.443,46.603 R526.1@37.58,45.466
  L14_Bot w0.2: W500.1@35.814,82.559 35.814,82.042 35.814,47.474 v1(36.564,46.724)
NetR530_2: R530.2 R531.2 | length 3.8
  L1_Top w0.2: R531.2@15.9,98.552 16.955,98.552 18.354,99.951 18.354,100.324 R530.2@18.614,100.584
NetR561_2: R561.2 R562.1 S560.1 S560.2 | length 11.9
  L1_Top w0.2: S560.2@77.804,83.856 79.275,83.856 81.208,81.923 R562.1@81.208,81.788 R561.2@82.622,81.788 82.622,81.923 84.555,83.856 S560.1@87.804,83.856
NetR750_2: R750.2 S750.2 | length 6
  L1_Top w0.2: v1(16.256,3.048) S750.2@16.256,4.194 ; v1(16.256,6.858) R750.2@17.272,6.858
  L14_Bot w0.2: v1(16.256,3.048) v1(16.256,6.858)
NetR751_2: R751.2 S751.2 | length 6.1
  L1_Top w0.2: S751.2@29.718,4.194 29.972,3.94 v1(29.972,3.048) ; v1(29.972,6.858) 30.916,6.858 R751.2@30.988,6.93
  L14_Bot w0.2: v1(29.972,3.048) v1(29.972,6.858)
NetR752_2: R752.2 S752.2 | length 6.5
  L1_Top w0.2: v1(43.18,3.048) S752.2@43.18,4.194 ; v1(43.18,7.112) 44.378,7.112 R752.2@44.45,7.184
  L14_Bot w0.2: v1(43.18,3.048) v1(43.18,7.112)
NetR810_2: R810.2 R811.2 S810.1 S810.2 | length 13.9
  L1_Top w0.2: S810.1@47.832,121.376 S810.2@57.832,121.376 60.162,121.376 R810.2@60.198,121.34 R811.2@61.722,121.34
NetR812_2: R812.2 R813.2 S812.1 S812.2 | length 14.2
  L1_Top w0.2: S812.1@47.832,135.854 S812.2@57.832,135.854 60.416,135.854 R812.2@60.452,135.818 R813.2@61.976,135.818
NetR814_2: R814.2 S814.2 | length 2.2
  L1_Top w0.2: S814.2@58.674,155.826 58.856,155.644 R814.2@58.856,153.67
NetW100_1: W100.1 X150.10 | length 123.8
  L1_Top w0.2: v1(32.955,18.161) 43.757,18.161 47.236,14.682 v1(50.75,14.682)
  L14_Bot w0.2: W100.1@31.877,87.131 31.877,87.073 31.769,86.965 31.769,19.891 32.932,18.728 32.932,18.184 v1(32.955,18.161) ; v1(50.75,14.682) 50.75,2.73 51.829,1.651 67.793,1.651 69.342,3.2 69.342,4.826 X150.10@68.072,6.096
Netw-: R720.1 R721.1 X720.2 | length 5.3
  L1_Top w0.2: R721.1@1.778,112.594 1.778,111.252 X720.2@2.794,110.236 4.365,110.236 4.945,109.656 R720.1@5.08,109.656
NINV_TLV197: R631.2 R632.2 U630.3 | length 4.3
  L1_Top w0.2: U630.3@53.086,19.446 54.111,19.446 54.723,20.058 54.723,20.132 54.983,20.392 R632.2@55.118,20.392 55.378,20.652 55.911,20.652 56.46,21.201 R631.2@56.46,21.336
NTC_Arduino: JP110.11 JP120.2 | length 9.3
  L14_Bot w0.2: JP110.11@11.43,112.522 11.666,112.286 12.58,112.286 13.428,111.438 13.487,111.379 13.843,111.379 ccw(c13.97,112.522) 14.097,111.379 14.351,111.379 14.732,110.998 JP120.2@14.732,105.664
NTC_ext: C533.2 JP120.1 R532.2 TP532.1 U520.4 X150.9 | length 168.3
  L1_Top w0.2: TP532.1@3.81,102.362 4.064,102.108 v1(16.438,102.108) ; v1(16.438,96.719) 29.248,96.719 ; R532.2@29.138,97.536 29.248,97.426 29.248,96.719 ; C533.2@29.248,95.758 29.248,95.733 29.623,95.358 29.648,95.358 30.264,94.742 v1(31.369,94.742) U520.4@32.914,94.742 ; C533.2@29.248,96.012 29.248,96.719 ; v1(31.955,18.649) 32.07,18.764 32.441,18.764 32.538,18.861 34.498,18.861 34.798,18.561 43.923,18.561 43.942,18.542 46.99,15.494 v1(51.562,15.494)
  L14_Bot w0.2: v1(16.438,96.719) v1(16.438,102.108) 16.438,104.83 JP120.1@17.272,105.664 ; v1(31.369,94.742) 31.369,19.235 v1(31.955,18.649) ; v1(51.562,15.494) 51.562,2.484 51.995,2.051 66.567,2.051 X150.9@68.072,3.556
NTC_Ext_Thresh: C530.2 R528.1 R529.1 R530.1 TP528.1 U520.5 | length 45.8
  L1_Top w0.2: TP528.1@3.81,97.536 v1(20.574,97.536) ; v1(20.574,94.996) 20.612,95.034 28.247,95.034 28.423,94.858 28.423,94.351 28.54,94.234 C530.2@29.248,94.234 29.44,94.042 31.659,94.042 31.709,94.092 U520.5@32.914,94.092 34.974,94.092 35.116,94.234 v1(37.084,94.234) ; R528.1@36.504,99.822 v1(37.084,99.822)
  L14_Bot w0.2: v1(20.574,94.996) v1(20.574,97.536) v1(20.574,100.584) ; v1(37.084,94.234) v1(37.084,99.822)
NTC_int: C526.2 JP120.3 R525.2 R526.2 TP525.1 U520.6 | length 106.2
  L1_Top w0.2: TP525.1@3.81,93.98 4.318,94.488 v1(12.446,94.488) ; v1(12.446,89.408) 18.262,89.408 20.541,87.129 22.867,87.129 24.085,88.347 28.298,88.347 28.597,88.646 v1(35.344,88.646) ; C526.2@29.248,91.186 29.248,92.6 R525.2@29.138,92.71 29.138,92.845 29.398,93.105 30.663,93.105 31,93.442 U520.6@32.914,93.442 32.929,93.457 35.329,93.457 v1(35.344,93.472) ; v1(35.344,46.774) 35.397,46.721 35.397,46.149 R526.2@36.08,45.466
  L14_Bot w0.2: JP120.3@12.192,105.664 12.331,105.525 12.331,94.603 v1(12.446,94.488) v1(12.446,89.408) ; v1(35.344,46.774) v1(35.344,88.646) v1(35.344,93.472)
NTC_Int_Thresh: C523.2 R521.1 R522.1 R523.1 TP522.1 U520.7 | length 19
  L1_Top w0.2: R523.1@20.248,92.456 R522.1@21.408,92.456 21.408,90.496 20.828,89.916 21.653,89.091 25.236,89.091 25.465,88.862 28.247,88.862 28.431,89.046 28.657,89.046 29.248,89.637 C523.2@29.248,89.662 R521.1@30.734,89.662 30.734,90.597 32.264,92.127 32.264,92.667 32.389,92.792 U520.7@32.914,92.792
Out_555_Boost: C441.1 R441.1 TP442.1 U440.3 | length 12.5
  L1_Top w0.2: TP442.1@67.818,24.384 68.618,24.384 71.738,27.504 R441.1@74.676,27.504 74.811,27.504 75.738,26.577 75.738,26.537 76.113,26.162 C441.1@76.138,26.162 76.163,26.162 76.538,25.787 76.538,25.762 77.027,25.273 U440.3@78.072,25.273
Out_555_Buck: C411.2 R411.1 TP412.1 U410.3 | length 23.4
  L1_Top w0.2: v1(13.589,51.943) U410.3@15.908,51.943 16.383,51.943 17.95,50.376 17.95,50.159 18.325,49.784 C411.2@18.35,49.784 18.692,49.442 18.692,49.126 19.017,48.802 20.079,48.802 20.947,47.934 R411.1@21.082,47.934 ; v1(13.589,63.881) 13.589,65.659 TP412.1@13.716,65.786
  L14_Bot w0.2: v1(13.589,51.943) v1(13.589,63.881)
Out_Curr_ADC: D110.2 JP110.5 R111.1 X140.8 | length 106.6
  L1_Top w0.2: JP110.5@10.668,120.142 10.904,119.906 11.818,119.906 12.852,118.872 v1(21.211,118.872) ; v1(21.211,107.825) 21.373,107.825 21.613,107.584 D110.2@23.914,107.584 26.376,107.584 R111.1@26.488,107.696 ; v1(21.211,122.428) 21.262,122.376 59.006,122.376 59.208,122.174 64.172,122.174 64.354,121.992 v1(64.516,121.992) ; v1(75.438,130.302) X140.8@87.884,130.302
  L14_Bot w0.2: v1(21.211,107.825) v1(21.211,118.872) v1(21.211,122.428) ; v1(64.516,121.992) 65.096,121.412 74.676,121.412 75.438,122.174 v1(75.438,130.302)
Out_Curr_Filtr: C507.2 D506.2 R507.2 TP507.1 U500.8 | length 17.3
  L1_Top w0.2: TP507.1@47.244,80.772 50.974,80.772 51.674,81.472 D506.2@51.674,81.572 v1(51.674,82.408) ; R507.2@48.95,91.186 48.95,89.772 C507.2@49.06,89.662 49.06,88.181 49.185,88.056 U500.8@49.678,88.056 49.703,88.081 50.728,88.081 50.897,88.25 v1(51.674,88.25)
  L14_Bot w0.2: v1(51.674,82.408) v1(51.674,88.25)
Out_neg: Q741.1 Q741.2 Q741.3 Q743.1 Q743.2 Q743.3 Q745.1 Q745.2 Q745.3 R103.1 X103.1
Output_Current: R111.2 R507.1 R634.2 TP630.1 U630.6 X140.6 | length 184.6
  L1_Top w0.2: R111.2@27.868,107.696 v1(46.482,107.696) ; v1(46.482,129.602) 48.602,129.602 48.77,129.77 56.469,129.77 56.637,129.602 v1(60.96,129.602) ; v1(46.736,18.542) R634.2@46.736,19.376 46.806,19.446 U630.6@48.686,19.446 ; v1(46.736,24.638) TP630.1@50.8,24.638 ; v1(46.863,91.186) R507.1@47.57,91.186 ; v1@60.96,132.08 v1@61.142,132.08 ; v1(61.214,132.152) v1@61.142,132.08 ; X140.6@87.884,135.382 87.652,135.15 87.652,134.388 86.734,133.47 86.734,132.708 85.914,131.888 64.226,131.888 64.034,132.08 v1@61.142,132.08
  L14_Bot w0.2: v1(46.482,129.602) 46.482,115.054 46.674,114.862 46.674,114.282 46.499,114.107 46.499,113.301 46.799,113.001 46.799,112.421 46.482,112.104 v1(46.482,107.696) 46.482,107.534 46.736,107.28 46.736,91.603 46.748,91.591 46.748,91.301 v1(46.863,91.186) 46.799,91.122 46.799,25.463 46.736,25.4 v1(46.736,18.542) ; v1(60.96,129.602) 60.96,129.657 61.214,129.911 v1(61.214,132.152)
Overcurr: TP570.1 U540.4 U570.13 | length 23
  L1_Top w0.2: TP570.1@39.37,103.124 39.37,103.315 40.195,104.14 v1(43.942,104.14) 44.104,104.14 44.358,104.394 53.34,104.394 53.975,105.029 U540.4@53.975,106.266 ; U570.13@42.566,99.284 42.581,99.299 43.927,99.299 v1(43.942,99.314)
  L14_Bot w0.2: v1(43.942,99.314) v1(43.942,104.14)
Overtemp_Ext: R527.2 R528.2 TP526.1 U520.2 U540.14 | length 53.5
  L1_Top w0.2: R527.2@29.138,99.06 30.734,99.06 v1(31.496,99.822) R528.2@35.124,99.822 ; v1(31.496,96.012) 31.511,96.027 32.899,96.027 U520.2@32.914,96.042 ; v1(31.626,103.378) TP526.1@34.29,103.378 ; v1(31.626,114.616) 31.648,114.594 35.556,114.594 35.578,114.572 v1(45.974,114.572) ; v1@45.974,113.072 45.985,113.061 45.985,112.826 v1(46.099,112.711) ; v1@46.099,113.072 52.25,113.072 52.505,112.817 52.505,111.866 U540.14@52.705,111.666
  L14_Bot w0.2: v1(31.496,96.012) v1(31.496,99.822) 31.561,99.887 31.561,103.313 v1(31.626,103.378) v1(31.626,114.616) ; v1(45.974,114.572) 45.974,114.562 46.099,114.437 v1(46.099,112.711)
Overtemp_Int: R520.2 R521.2 TP520.1 U520.1 U540.12 | length 64.3
  L1_Top w0.2: R520.2@29.138,100.584 29.2,100.522 v1(32.872,100.522) ; R521.2@32.114,89.662 32.262,89.81 v1(32.914,89.81) 32.988,89.736 v1@37.084,89.736 ; U520.1@32.914,96.692 v1(32.914,97.43) ; v1(33.02,106.084) v1(45.3,106.084) ; TP520.1@36.576,82.296 36.576,83.566 v1(37.084,84.074) ; v1(45.212,113.172) 45.329,113.172 45.629,113.472 52.416,113.472 52.796,113.092 53.376,113.092 53.456,113.172 54.239,113.172 55.245,112.166 U540.12@55.245,111.666
  L14_Bot w0.2: v1(32.914,89.81) v1(32.914,97.43) 32.914,100.478 v1(32.872,100.522) v1(32.872,100.522) 33.02,100.67 32.946,100.744 32.946,106.01 v1(33.02,106.084) ; v1(37.084,84.074) v1(37.084,89.662) ; v1(45.212,113.172) 45.256,113.128 45.256,106.216 45.212,106.172 v1(45.3,106.084)
Overvolt: R500.2 TP500.1 U500.1 U540.6 | length 39.8
  L1_Top w0.2: TP500.1@40.894,82.296 40.894,82.631 41.719,83.456 47.702,83.456 47.812,83.566 54.363,83.566 54.953,84.156 U500.1@55.478,84.156 55.49,84.144 57.195,84.144 v1(57.207,84.131) ; U540.6@56.515,106.266 56.7,106.081 v1(56.7,105.156)
  L14_Bot w0.2: v1(56.7,105.156) 56.7,94.557 57.352,93.905 57.352,87.116 57.207,86.972 v1(57.207,84.131)
Overvoltage_Gate: D202.1 Q202.1 R203.1 R204.1 | length 11.4
  L1_Top w0.2: R203.1@20.32,83.748 20.58,84.008 21.223,84.008 ; v1(21.336,83.566) 21.223,83.679 21.223,84.008 ; R204.1@21.662,84.582 21.662,84.447 21.223,84.008 ; v1(21.844,79.756) 24.452,79.756 D202.1@24.518,79.822 24.518,79.153 25.588,78.083 Q202.1@25.588,77.858
  L14_Bot w0.2: v1(21.336,83.566) 21.844,83.058 v1(21.844,79.756)
Pwr_Gate: D201.1 Q201.1 Q202.3 R205.1 R209.2 S200.1 TP205.1 | length 67.3
  L1_Top w0.2: S200.1@1.902,88.098 2.032,87.968 v1(2.032,87.305) ; v1(2.286,74.168) 9.497,74.168 10.767,75.438 v1(19.558,75.438) 19.558,75.883 TP205.1@18.733,76.708 ; TP205.1@18.288,76.708 TP205.1@18.733,76.708 ; v1(19.304,55.88) 20.388,55.88 D201.1@20.454,55.946 ; v1(19.558,68.834) 21.686,68.834 Q201.1@21.838,68.682 Q201.1@21.83,68.674 ; R209.2@27.504,77.47 27.504,77.335 25.727,75.558 Q202.3@24.638,75.558 22.693,75.558 21.979,76.272 21.709,76.272 21.273,76.708 TP205.1@18.733,76.708
  L14_Bot w0.2: v1(2.032,87.305) 2.032,87.143 2.286,86.889 v1(2.286,74.168) ; v1(19.304,55.88) 19.558,56.134 v1(19.558,68.834) v1(19.558,75.438)
Reset: S110.3 S110.4 X110.3A | length 22.1
  L1_Top w0.2: S110.3@6.314,132.668 S110.4@6.314,142.668 6.648,143.002 X110.3A@18.288,143.002
RevPolGate: D200.1 Q200.1 R200.2 | length 6.7
  L1_Top w0.2: R200.2@8.636,54.356 8.771,54.356 9.031,54.616 9.031,54.655 10.024,55.648 10.024,56.148 10.524,56.648 Q200.1@11.024,56.648 13.582,56.648 13.782,56.448 D200.1@13.782,56.254
SC_Overcurr_Filtr: C515.2 D515.3 R515.2 U501.6 | length 17.7
  L1_Top w0.2: R515.2@51.054,69.524 52.468,69.524 C515.2@52.578,69.634 52.953,69.259 53.572,69.259 53.997,68.834 61.988,68.834 62.496,69.342 v1(62.611,69.342) ; U501.6@61.128,73.335 61.163,73.371 62.576,73.371 v1(62.611,73.406)
  L14_Bot w0.2: v1(62.611,69.342) v1(62.611,73.406)
SC_Overcurr_Thresh: C514.2 R512.2 R513.1 R514.1 TP511.1 U501.5 | length 23.1
  L1_Top w0.2: U501.5@61.128,72.685 v1(69.301,72.685) ; TP511.1@66.04,76.708 v1(69.342,76.708) ; C514.2@70.138,79.138 C514.2@70.028,79.248 v1(69.322,79.248) R512.2@68.508,79.248 68.508,80.772 R513.1@68.762,81.026 R514.1@70.248,81.026
  L14_Bot w0.2: v1(69.301,72.685) 69.342,72.726 69.322,72.746 v1(69.322,79.248)
SW_Curr+: R421.3 R511.1 R621.2 TP621.1 | length 34.7
  L1_Top w0.2: R421.3@42.864,47.647 v1(43.583,47.647) 44.925,47.647 R621.2@45.03,47.752 ; R511.1@42.926,75.692 43.067,75.551 43.067,75.128 43.326,74.869 v1(43.326,74.707) ; v1(43.583,58.061) 47.647,58.061 TP621.1@47.752,58.166
  L14_Bot w0.2: v1(43.326,74.707) 43.326,74.545 43.583,74.287 v1(43.583,58.061) v1(43.583,47.647)
SW_Curr+_Clamp: D620.2 R621.1 U620.3 | length 8.8
  L1_Top w0.2: R621.1@46.41,47.752 47.756,47.752 48.376,48.372 D620.2@48.476,48.372 51.17,48.372 51.37,48.572 53.764,48.572 54.09,48.246 54.09,47.922 U620.3@54.29,47.722
SW_Curr-: C510.1 R421.4 R510.2 R622.2 TP622.1 | length 26.7
  L1_Top w0.2: R421.4@42.864,50.397 44.925,50.397 R622.2@45.03,50.292 v1(44.45,50.292) ; v1(44.45,53.34) TP622.1@47.752,53.34 ; v1(44.704,66.802) 44.751,66.802 45.331,67.382 R510.2@45.466,67.382 45.726,67.122 48.156,67.122 C510.1@48.26,67.018
  L14_Bot w0.2: v1(44.45,50.292) v1(44.45,53.34) 44.45,66.548 v1(44.704,66.802)
SW_Curr-_Clamp: D620.1 R622.1 U620.4 | length 8.7
  L1_Top w0.2: R622.1@46.41,50.292 47.756,50.292 48.376,49.672 D620.1@48.476,49.672 50.695,49.672 50.895,49.472 53.69,49.472 54.29,50.072 U620.4@54.29,50.322
SW_Curr_Filtr: C511.2 D511.3 R511.2 U501.2 | length 16.6
  L1_Top w0.2: R511.2@42.672,77.144 44.086,77.144 C511.2@44.196,77.254 44.221,77.254 45.415,76.06 45.415,75.384 45.615,75.184 D511.3@45.84,75.184 49.758,75.184 51.021,73.921 53.119,73.921 53.844,74.646 55.229,74.646 55.466,74.409 55.466,74.222 55.703,73.985 U501.2@56.728,73.985
SW_Curr_Thresh: C510.2 R508.2 R509.1 R510.1 TP508.1 U501.3 | length 24.1
  L1_Top w0.2: TP508.1@43.18,72.136 43.18,71.336 44.005,70.511 45.25,70.511 45.585,70.176 R508.2@45.72,70.176 ; R510.1@45.466,68.762 45.72,69.016 R508.2@45.72,70.176 ; C510.2@48.26,68.618 R509.1@48.26,70.176 ; U501.3@56.728,73.335 56.763,73.371 58.385,73.371 v1(58.42,73.406) ; v1(58.42,70.866) 48.95,70.866 R509.1@48.26,70.176 ; R508.2@45.72,70.176 R509.1@48.26,70.176
  L14_Bot w0.2: v1(58.42,70.866) v1(58.42,73.406)
SW_Current: R131.2 TP620.1 U620.1 X140.10 | length 139.1
  L1_Top w0.2: R131.2@36.504,118.11 36.504,119.522 37.358,120.376 50.312,120.376 52.112,118.576 v1(55.88,118.576) 56.042,118.576 56.249,118.369 61.463,118.369 61.722,118.11 v1(64.008,118.11) ; TP620.1@47.689,63.563 47.752,63.5 TP620.1@47.752,62.738 v1(51.562,62.738) v1(55.88,62.738) ; v1(51.562,47.752) 52.36,47.752 U620.1@52.39,47.722 ; v1(75.438,119.888) 76.362,119.888 76.489,119.761 84.455,119.761 v1(86.36,121.666)
  L14_Bot w0.2: v1(51.562,47.752) v1(51.562,62.738) ; v1(55.88,62.738) 55.88,67.318 56,67.438 56,87.068 55.952,87.116 55.952,90.958 56,91.007 56,114.375 55.88,114.495 v1(55.88,118.576) ; v1(64.008,118.11) 64.915,118.11 65.797,118.992 74.542,118.992 v1(75.438,119.888) ; v1(86.36,121.666) 86.36,123.698 X140.10@87.884,125.222
SW_Current_ADC: JP121.3 JP130.1 R131.1 | length 14.5
  L1_Top w0.2: JP130.1@28.956,118.11 R131.1@35.124,118.11
  L14_Bot w0.2: JP121.3@28.829,126.365 28.829,118.237 JP130.1@28.956,118.11
Switch1: C750.2 D740.1 R750.1 | length 4
  L1_Top w0.2: D740.1@15.24,7.59 16.489,7.59 17.137,8.238 R750.1@17.272,8.238 18.335,8.238 18.771,8.674 C750.2@18.796,8.674
Switch2: C751.2 D742.1 R751.1 | length 4.2
  L1_Top w0.2: D742.1@28.74,7.732 30.275,7.732 30.853,8.31 R751.1@30.988,8.31 32.148,8.31 C751.2@32.512,8.674
Switch3: C752.2 D744.1 R752.1 | length 4.1
  L1_Top w0.2: D744.1@42.164,8.128 42.264,8.128 42.7,8.564 R752.1@44.45,8.564 44.585,8.564 44.911,8.89 C752.2@45.974,8.89
TL431_K: C204.2 D204.1 R209.1 | length 11.8
  L1_Top w0.2: v1(28.676,76.636) 28.676,77.262 R209.1@28.884,77.47 ; v1(28.676,83.794) 30.06,83.794 C204.2@30.288,83.566 30.263,83.566 29.838,83.141 D204.1@29.838,81.722
  L14_Bot w0.2: v1(28.676,76.636) v1(28.676,83.794)
TL431_Ref: D204.2 R206.1 R207.2 R208.1 | length 7.4
  L1_Top w0.2: R208.1@25.836,84.582 26.096,84.322 26.096,83.569 27.043,82.622 R207.2@27.178,82.622 R206.1@27.178,80.954 28.481,80.954 29.613,79.822 D204.2@29.838,79.822
UserBtn1: C811.2 JP112.7 R811.1 | length 12.7
  L1_Top w0.2: R811.1@61.722,119.96 61.982,120.22 62.245,120.22 63.221,121.196 C811.2@63.246,121.196 63.342,121.292 72.256,121.292 ; 72.263,121.292 72.256,121.292 ; JP112.7@73.406,120.142 72.256,121.292
UserBtn2: C813.2 JP112.15 R813.1 | length 15.7
  L1_Top w0.2: R813.1@61.976,134.438 R813.1@62.111,134.438 ; C813.2@63.5,135.674 63.125,135.299 62.972,135.299 R813.1@62.111,134.438 ; v1(64.516,132.588) 63.587,132.588 62.654,133.521 62.654,133.895 R813.1@62.111,134.438
  L14_Bot w0.2: v1(64.516,132.588) 64.554,132.55 64.554,131.788 64.89,131.452 72.256,131.452 JP112.15@73.406,130.302